# Altium PCB 测试样板PCB.PcbDoc (part 5 of 5)
Units mil, origin at the board's own origin, x right, y up, seen from the top; angles counter-clockwise.
Board outline 3248.03 x 2802.03 mil, 2 copper layers (Top Layer, Bottom Layer); 76 components, 64 nets, 349 pads, 97 vias.
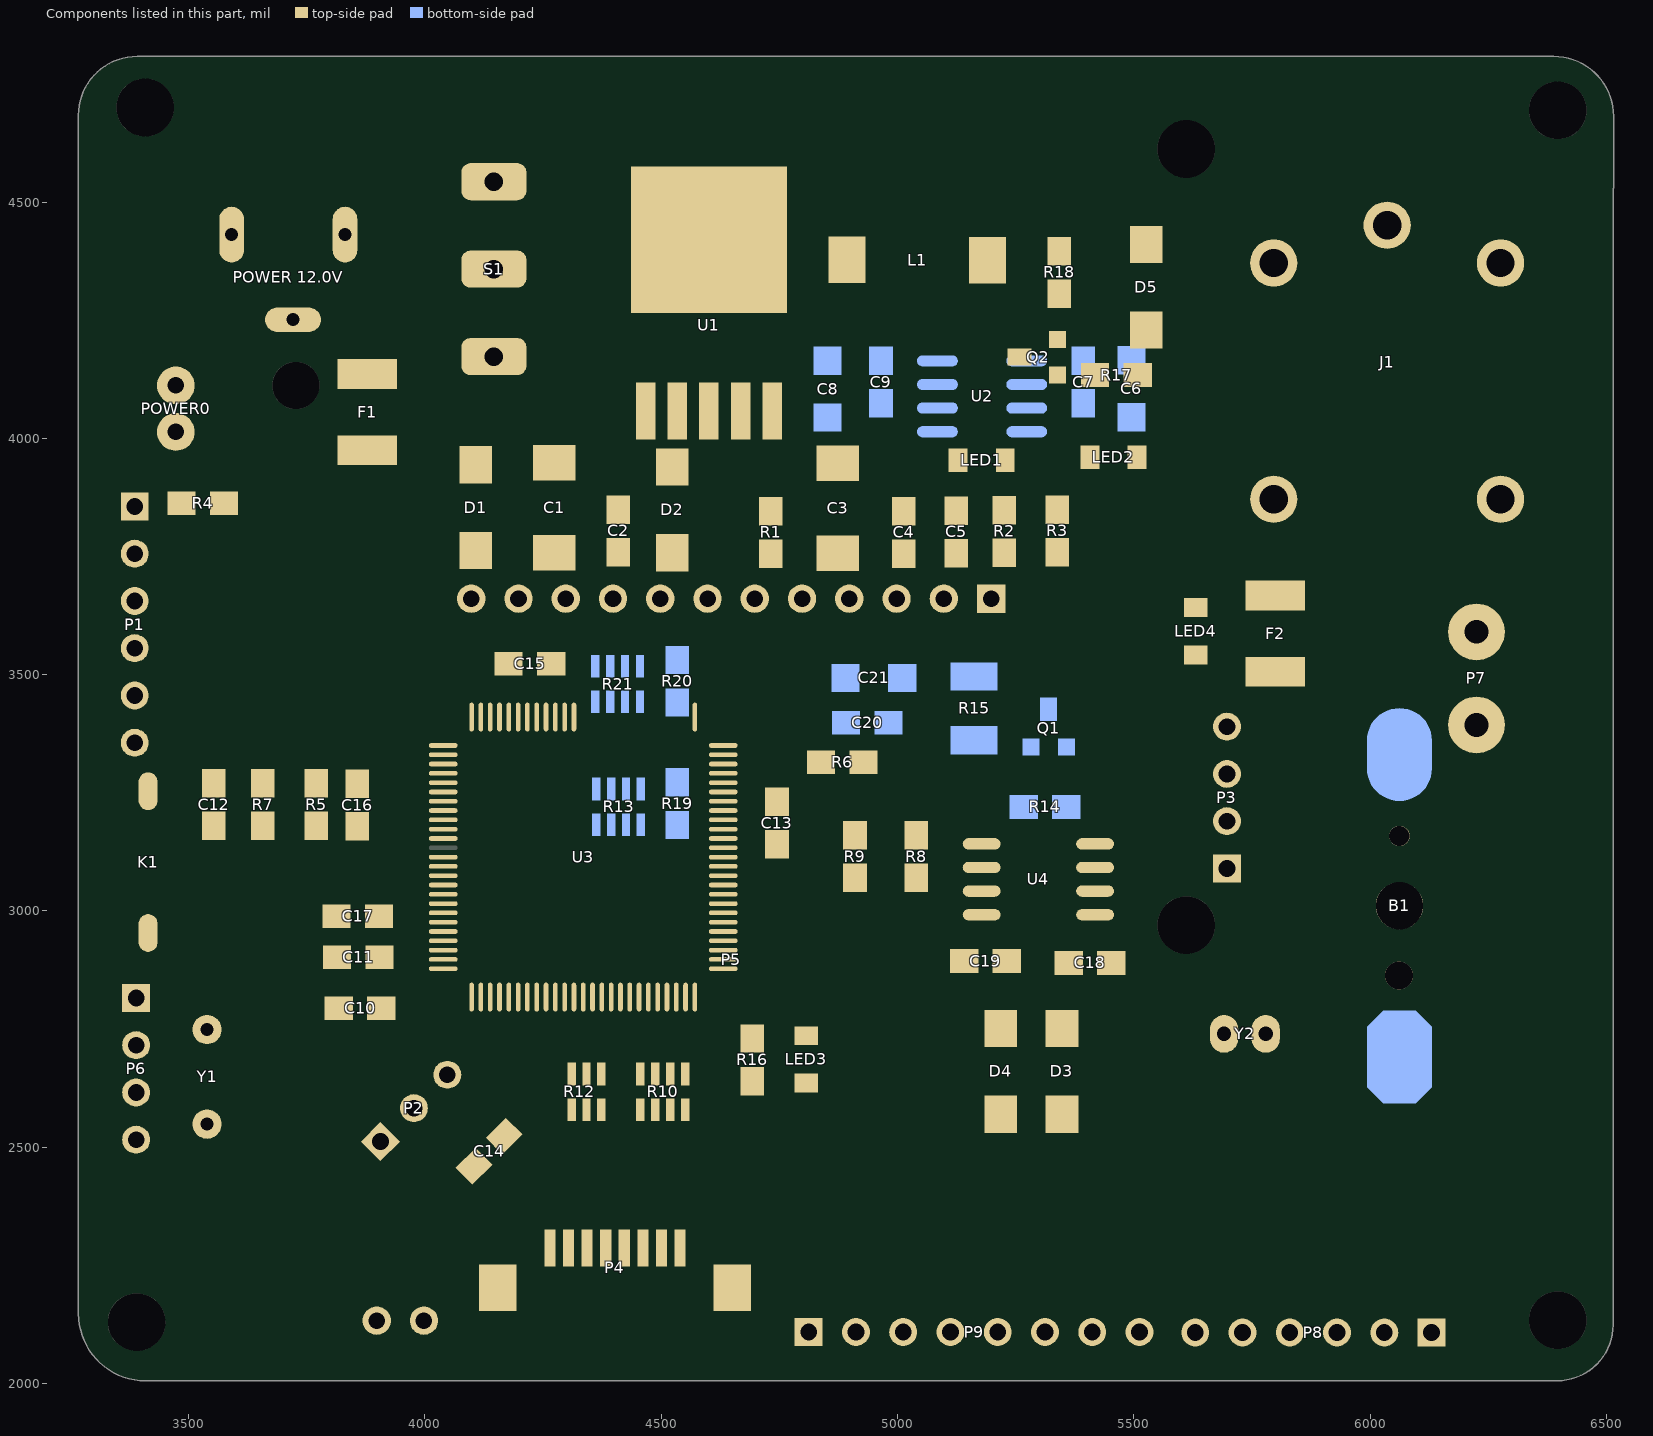
[diagram p5: the components of this part, seen from the top]

## Via types
v1: diameter 25, hole 13, Top Layer to Bottom Layer, 50 vias
v2: diameter 50, hole 28, Top Layer to Bottom Layer, 46 vias
v3: diameter 25, hole 3, Top Layer to Bottom Layer, 1 vias

## Nets (pads, with @x,y where several pads share a name; then routed paths per layer and width w, separated by ;. In a path a pad name is that pad's centre, name@x,y a point inside that pad or via, vN(x,y) a via of type N, cw(c..) or ccw(c..) an arc to the next point about the centre after c; other vN are vias at no path point) (continued)
copper on no net: (continued)
  Top Layer w0.8: 6293,2473.8 6296.2,2473.8 ; 6293,2529.8 6297.8,2529.8 ; 6293,2530.6 6298.6,2530.6 ; 6293,2534.6 6298.6,2534.6 ; 6293,2535.4 6297,2535.4 ; 6293,2597.8 6296.2,2597.8 ; 6293,2598.6 6297,2598.6 ; 6293,2631.4 6296.2,2631.4 ; 6293,2632.2 6297,2632.2 ; 6293.8,2438.6 6297.8,2438.6 ; 6293.8,2472.2 6297.8,2472.2 ; 6293.8,2531.4 6298.6,2531.4 ; 6293.8,2533.8 6299.4,2533.8 ; 6293.8,2599.4 6297,2599.4 ; 6293.8,2600.2 6297.8,2600.2 ; 6293.8,2633 6297.8,2633 ; 6294.6,2437 6298.6,2437 ; 6294.6,2437.8 6297.8,2437.8 ; 6294.6,2470.6 6298.6,2470.6 ; 6294.6,2471.4 6297.8,2471.4 ; 6294.6,2532.2 6299.4,2532.2 ; 6294.6,2533 6299.4,2533 ; 6294.6,2601 6298.6,2601 ; 6294.6,2633.8 6297.8,2633.8 ; 6294.6,2634.6 6298.6,2634.6 ; 6295.4,2435.4 6299.4,2435.4 ; 6295.4,2436.2 6299.4,2436.2 ; 6295.4,2469 6299.4,2469 ; 6295.4,2469.8 6298.6,2469.8 ; 6295.4,2601.8 6298.6,2601.8 ; 6295.4,2602.6 6299.4,2602.6 ; 6295.4,2635.4 6298.6,2635.4 ; 6295.4,2636.2 6299.4,2636.2 ; 6296.2,2434.6 6300.2,2434.6 ; 6296.2,2468.2 6300.2,2468.2 ; 6296.2,2603.4 6300.2,2603.4 ; 6296.2,2604.2 6300.2,2604.2 ; 6296.2,2637 6300.2,2637 ; 6297,2433 6301,2433 ; 6297,2433.8 6300.2,2433.8 ; 6297,2466.6 6301,2466.6 ; 6297,2467.4 6300.2,2467.4 ; 6297,2605 6301,2605 ; 6297,2637.8 6300.2,2637.8 ; 6297,2638.6 6301,2638.6 ; 6297.8,2432.2 6301.8,2432.2 ; 6297.8,2465 6301.8,2465 ; 6297.8,2465.8 6301.8,2465.8 ; 6297.8,2605.8 6301,2605.8 ; 6297.8,2606.6 6301.8,2606.6 ; 6297.8,2639.4 6301.8,2639.4 ; 6297.8,2640.2 6301.8,2640.2 ; 6298.6,2430.6 6302.6,2430.6 ; 6298.6,2431.4 6301.8,2431.4 ; 6298.6,2464.2 6302.6,2464.2 ; 6298.6,2607.4 6302.6,2607.4 ; 6298.6,2641 6302.6,2641 ; 6299.4,2429.8 6302.6,2429.8 ; 6299.4,2462.6 6303.4,2462.6 ; 6299.4,2463.4 6302.6,2463.4 ; 6299.4,2608.2 6302.6,2608.2 ; 6299.4,2609 6303.4,2609 ; 6299.4,2641.8 6302.6,2641.8 ; 6299.4,2642.6 6303.4,2642.6 ; 6300.2,2427.4 6304.2,2427.4 ; 6300.2,2428.2 6304.2,2428.2 ; 6300.2,2429 6303.4,2429 ; 6300.2,2461 6304.2,2461 ; 6300.2,2461.8 6304.2,2461.8 ; 6300.2,2609.8 6304.2,2609.8 ; 6300.2,2610.6 6304.2,2610.6 ; 6300.2,2643.4 6304.2,2643.4 ; 6301,2426.6 6305,2426.6 ; 6301,2460.2 6305,2460.2 ; 6301,2611.4 6305,2611.4 ; 6301,2644.2 6304.2,2644.2 ; 6301,2645 6305,2645 ; 6301.8,2425 6305.8,2425 ; 6301.8,2425.8 6305.8,2425.8 ; 6301.8,2458.6 6305.8,2458.6 ; 6301.8,2459.4 6305.8,2459.4 ; 6301.8,2612.2 6305,2612.2 ; 6301.8,2613 6305.8,2613 ; 6301.8,2645.8 6305,2645.8 ; 6301.8,2646.6 6305.8,2646.6 ; 6302.6,2423.4 6306.6,2423.4 ; 6302.6,2424.2 6306.6,2424.2 ; 6302.6,2457.8 6306.6,2457.8 ; 6302.6,2613.8 6305.8,2613.8 ; 6302.6,2647.4 6306.6,2647.4 ; 6303.4,2422.6 6307.4,2422.6 ; 6303.4,2456.2 6307.4,2456.2 ; 6303.4,2457 6306.6,2457 ; 6303.4,2614.6 6306.6,2614.6 ; 6303.4,2615.4 6307.4,2615.4 ; 6303.4,2648.2 6306.6,2648.2 ; 6303.4,2649 6307.4,2649 ; 6304.2,2421 6308.2,2421 ; 6304.2,2421.8 6308.2,2421.8 ; 6304.2,2454.6 6308.2,2454.6 ; 6304.2,2455.4 6308.2,2455.4 ; 6304.2,2616.2 6307.4,2616.2 ; 6304.2,2617 6308.2,2617 ; 6304.2,2649.8 6308.2,2649.8 ; 6304.2,2650.6 6308.2,2650.6 ; 6305,2420.2 6309,2420.2 ; 6305,2453.8 6309,2453.8 ; 6305,2617.8 6309,2617.8 ; 6305,2651.4 6309,2651.4 ; 6305.8,2452.2 6309.8,2452.2 ; 6305.8,2453 6309,2453 ; 6305.8,2618.6 6309,2618.6 ; 6305.8,2619.4 6309.8,2619.4 ; 6305.8,2652.2 6309,2652.2 ; 6305.8,2653 6309.8,2653 ; 6306.6,2450.6 6310.6,2450.6 ; 6306.6,2451.4 6310.6,2451.4 ; 6306.6,2620.2 6310.6,2620.2 ; 6306.6,2653.8 6309.8,2653.8 ; 6307.4,2449.8 6311.4,2449.8 ; 6307.4,2621 6310.6,2621 ; 6307.4,2621.8 6311.4,2621.8 ; 6307.4,2654.6 6310.6,2654.6 ; 6307.4,2655.4 6311.4,2655.4 ; 6308.2,2448.2 6312.2,2448.2 ; 6308.2,2449 6311.4,2449 ; 6308.2,2622.6 6311.4,2622.6 ; 6308.2,2623.4 6312.2,2623.4 ; 6308.2,2656.2 6311.4,2656.2 ; 6308.2,2657 6312.2,2657 ; 6309,2446.6 6313,2446.6 ; 6309,2447.4 6313,2447.4 ; 6309,2624.2 6313,2624.2 ; 6309.8,2445.8 6313.8,2445.8 ; 6309.8,2625 6313,2625 ; 6309.8,2625.8 6313.8,2625.8 ; 6310.6,2444.2 6314.6,2444.2 ; 6310.6,2445 6313.8,2445 ; 6310.6,2626.6 6313.8,2626.6 ; 6310.6,2627.4 6314.6,2627.4 ; 6311.4,2443.4 6315.4,2443.4 ; 6311.4,2628.2 6315.4,2628.2 ; 6312.2,2441.8 6316.2,2441.8 ; 6312.2,2442.6 6315.4,2442.6 ; 6312.2,2629 6315.4,2629 ; 6312.2,2629.8 6316.2,2629.8 ; 6313,2440.2 6317,2440.2 ; 6313,2441 6317,2441 ; 6313,2630.6 6316.2,2630.6 ; 6313,2631.4 6317,2631.4 ; 6313.8,2439.4 6317.8,2439.4 ; 6313.8,2632.2 6317.8,2632.2 ; 6314.6,2437.8 6318.6,2437.8 ; 6314.6,2438.6 6318.6,2438.6 ; 6314.6,2633 6317.8,2633 ; 6314.6,2633.8 6318.6,2633.8 ; 6315.4,2436.2 6319.4,2436.2 ; 6315.4,2437 6319.4,2437 ; 6315.4,2634.6 6319.4,2634.6 ; 6315.4,2635.4 6319.4,2635.4 ; 6316.2,2435.4 6320.2,2435.4 ; 6316.2,2636.2 6320.2,2636.2 ; 6317,2433.8 6321,2433.8 ; 6317,2434.6 6321,2434.6 ; 6317,2637 6320.2,2637 ; 6317,2637.8 6321,2637.8 ; 6317.8,2433 6321.8,2433 ; 6317.8,2638.6 6321.8,2638.6 ; 6318.6,2431.4 6322.6,2431.4 ; 6318.6,2432.2 6321.8,2432.2 ; 6318.6,2639.4 6321.8,2639.4 ; 6318.6,2640.2 6322.6,2640.2 ; 6319.4,2429.8 6323.4,2429.8 ; 6319.4,2430.6 6323.4,2430.6 ; 6319.4,2641 6323.4,2641 ; 6319.4,2641.8 6323.4,2641.8 ; 6320.2,2429 6324.2,2429 ; 6320.2,2642.6 6324.2,2642.6 ; 6321,2427.4 6325,2427.4 ; 6321,2428.2 6325,2428.2 ; 6321,2643.4 6324.2,2643.4 ; 6321,2644.2 6325,2644.2 ; 6321.8,2426.6 6325.8,2426.6 ; 6321.8,2645 6325.8,2645 ; 6321.8,2645.8 6325.8,2645.8 ; 6322.6,2425 6326.6,2425 ; 6322.6,2425.8 6325.8,2425.8 ; 6322.6,2646.6 6326.6,2646.6 ; 6323.4,2423.4 6327.4,2423.4 ; 6323.4,2424.2 6327.4,2424.2 ; 6323.4,2647.4 6326.6,2647.4 ; 6323.4,2648.2 6327.4,2648.2 ; 6324.2,2422.6 6328.2,2422.6 ; 6324.2,2649 6328.2,2649 ; 6325,2421 6329,2421 ; 6325,2421.8 6328.2,2421.8 ; 6325,2649.8 6328.2,2649.8 ; 6325,2650.6 6329,2650.6 ; 6325.8,2419.4 6329.8,2419.4 ; 6325.8,2420.2 6329.8,2420.2 ; 6325.8,2651.4 6329,2651.4 ; 6325.8,2652.2 6329.8,2652.2 ; 6326.6,2418.6 6330.6,2418.6 ; 6326.6,2653 6330.6,2653 ; 6327.4,2417 6331.4,2417 ; 6327.4,2417.8 6330.6,2417.8 ; 6327.4,2653.8 6330.6,2653.8 ; 6327.4,2654.6 6331.4,2654.6 ; 6328.2,2415.4 6332.2,2415.4 ; 6328.2,2416.2 6332.2,2416.2 ; 6328.2,2655.4 6332.2,2655.4 ; 6328.2,2656.2 6332.2,2656.2 ; 6329,2414.6 6333,2414.6 ; 6329,2657 6333,2657 ; 6329.8,2413 6333.8,2413 ; 6329.8,2413.8 6333,2413.8 ; 6329.8,2657.8 6333,2657.8 ; 6329.8,2658.6 6333.8,2658.6 ; 6330.6,2412.2 6334.6,2412.2 ; 6330.6,2659.4 6333.8,2659.4 ; 6331.4,2410.6 6335.4,2410.6 ; 6331.4,2411.4 6334.6,2411.4 ; 6331.4,2660.2 6334.6,2660.2 ; 6331.4,2661 6335.4,2661 ; 6332.2,2409 6336.2,2409 ; 6332.2,2409.8 6336.2,2409.8 ; 6332.2,2661.8 6335.4,2661.8 ; 6332.2,2662.6 6336.2,2662.6 ; 6333,2408.2 6337,2408.2 ; 6333,2663.4 6337,2663.4 ; 6333.8,2406.6 6337.8,2406.6 ; 6333.8,2407.4 6337.8,2407.4 ; 6333.8,2664.2 6337,2664.2 ; 6333.8,2665 6337.8,2665 ; 6334.6,2665.8 6338.6,2665.8 ; 6334.6,2666.6 6338.6,2666.6 ; 6335.4,2667.4 6339.4,2667.4 ; 6336.2,2668.2 6339.4,2668.2 ; 6336.2,2669 6340.2,2669 ; 6337,2669.8 6341,2669.8 ; 6337,2670.6 6341,2670.6

## Polygon pours and split planes (outlines as drawn)
GND on Top Layer "Top Layer-No Net" (solid, remove dead copper, pour order 9): 3391,4803 6416.88,4803 6418.42,4804.53 6501.89,4721.06 6509.22,4721.06
DGND on Top Layer "Top Layer-No Net" (solid, remove dead copper, pour order 11): 4015,3599 4035,3579 4855,3579
DGND on Top Layer "Top Layer-No Net" (solid, remove dead copper, pour order 7): 4007,3600 4014,3593 4851,3593 4868,3593 4871,3590 4871,2717 4871,2395 4863,2403 3990,2403 4004,2417 4004,3600
GND on Top Layer "Top Layer-No Net" (solid, remove dead copper, pour order 8): 3371.54,4806.87 3376.19,4802.22 6428.06,4802.22 6428.06,4794.89 6511.53,4711.42 6509,4708.88 6509,2087.61 6509,2071.81 6465.47,2028.28 6453.99,2016.79 3354.65,2016.79 3354.65,2031.1 3270.91,2114.85 3270.41,2115.34 3270.41,4712.95 3362.05,4804.59
DGND on Bottom Layer "Top Layer-No Net" (solid, remove dead copper, pour order 12): 4005,3604 4866,3604 4869,3601 4871,3599 4871,2396 4008,2396 4000,2404
GND on Bottom Layer "Top Layer-No Net" (solid, remove dead copper, pour order 10): 3391,4808.4 3397.18,4802.22 6428.06,4802.22 6509.22,4721.06 6501.45,4713.29 6501.45,2070.4 6449.6,2018.55 6447.84,2016.79 3354.65,2016.79 3354.65,2039.36 3268.3,2125.72 3272.69,2130.11 3272.69,4722.44 3279.9,4722.44 3362.05,4804.59

## Keep-outs
Keep-Out Layer:
  lines w10: 3272,4620 3272,4684 cw(c3391,4684) 3391,4803 6247,4803 6389,4803 cw(c6389,4682) 6510,4682 6510,4530 ; 3272,4623 3272,3181 3272,2158 3272,2148 ccw(c3409,2148) 3409,2011 6432.39,2011 ; 6432.39,2011.43 ccw(c6432.39,2087.61) 6508.57,2087.61 ; 6509,2087.61 6509,4541

## Other copper
Top Layer:
  text "集" at 6018,2482 h50
  text "大" at 6148,2482 h50
  text "电" at 6053,2442 h50
  text "协" at 6108,2442 h50
  text "2018.2.13" at 3295,2312 h100 r322.94

## Silkscreen, mask and mechanical layers (free items; w line width, h text height)
Top Overlay:
  text "TMS" at 3445,3747 h50
  text "TCK" at 3444,3640 h50
  text "TDI" at 3447,3542 h50
  text "TDO" at 3442,3443 h50
  text "GND" at 3435,3356 h50
  text "GND" at 5795,3351 h50 r90
  text "TX0" at 5791,3253 h50 r90
  text "RX0" at 5791,3148 h50 r90
  text "5V" at 5795,3065 h50 r90
  text "GND" at 3292,2771 h50 r270
  text "RX1" at 3295,2661 h50 r270
  text "TX1" at 3295,2550 h50 r270
  text "P1.2" at 5563,2173 h50
  text "P1.3" at 5683,2172 h50
  text "P1.4" at 5791,2171 h50
  text "+12V" at 6095,2171 h50
  text "P1.5" at 5897,2169 h50
  text "-" at 6015,2164 h100
Top Solder:
  drawing of 5309 lines, arcs and shapes, not listed
  text "集" at 6018,2482 h50
  text "大" at 6148,2482 h50
  text "电" at 6053,2442 h50
  text "协" at 6108,2442 h50

## Text inside footprints (layer, text, board x,y; h text height)
F1: Top Overlay "~" at 3847,4073 h98.43 r270
F2: Top Overlay "~" at 5830,3569 h98.43 r90
P5: Top Overlay "12" at 3989.8,3638.48 h40; Top Overlay "1" at 5267,3648 h40
P7: Top Overlay "V" at 6343.11,3373.89 h60 r90; Top Overlay "V" at 6343.11,3570.74 h60 r90
POWER0: Top Overlay "V" at 3354.89,4151.37 h60 r270; Top Overlay "V" at 3354.89,4009.64 h60 r270